# KiCad board daq-eval-board.kicad_pcb (continued)
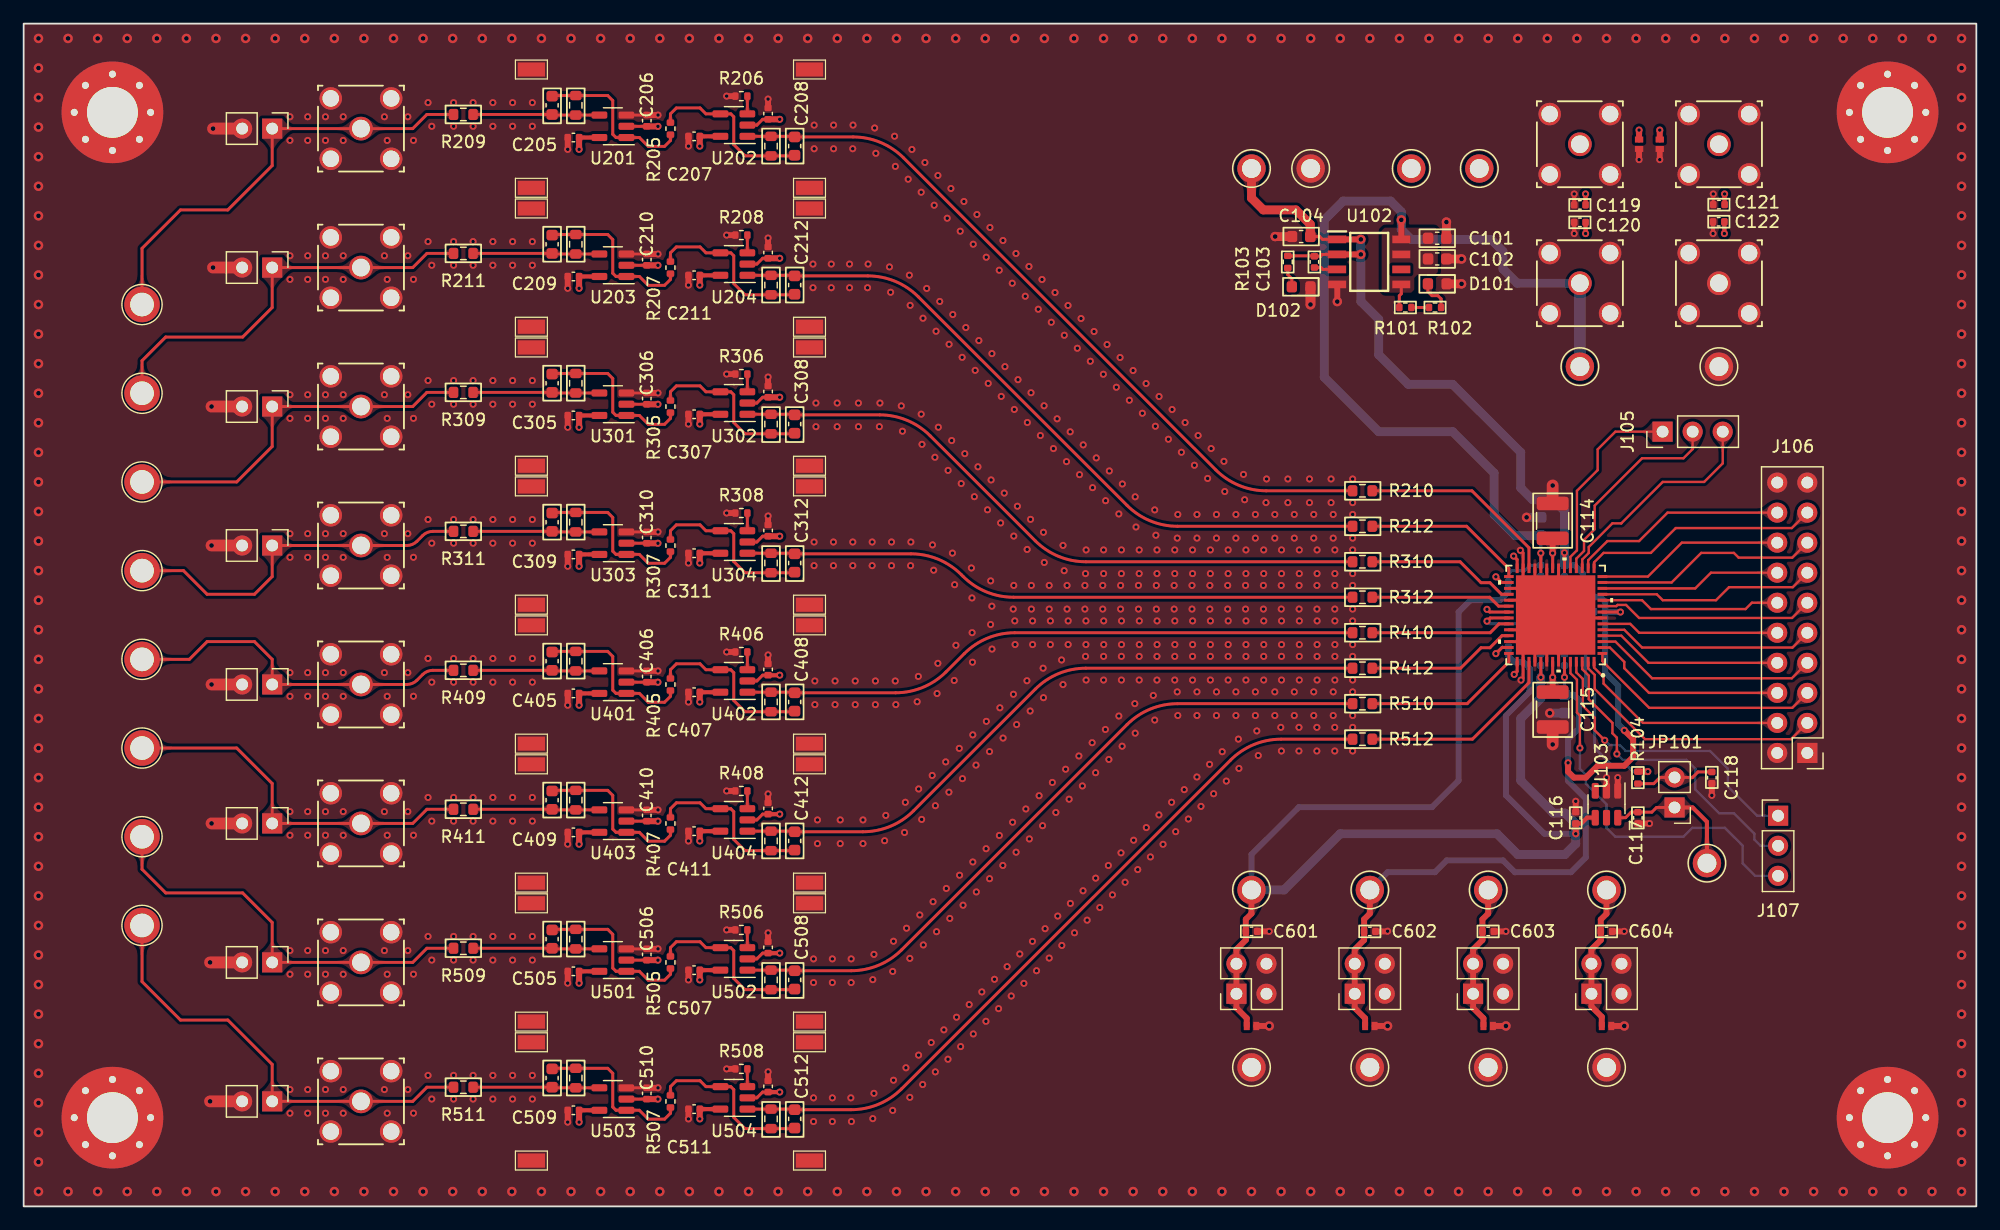
[diagram p0: board, top side]
## Nets (continued)
Net-(D101-A): D101.2 R102.2
Net-(D102-A): D102.2 R103.2
Net-(JP101-A): C117.1 JP101.1 TP106.1 U103.6
Net-(JP101-B): C118.1 JP101.2 R104.1
Net-(R101-Pad2): R101.2 R102.1
Net-(U201--IN): C201.1 R201.2 R209.1 U201.4
Net-(U201-OUT): C201.2 R201.1 R205.2 U201.1
Net-(U202-+IN): R206.1 U202.3
Net-(U202--IN): C202.1 R202.2 R205.1 U202.4
Net-(U202-OUT): C202.2 R202.1 R210.2 U202.1
Net-(U203--IN): C203.1 R203.2 R211.1 U203.4
Net-(U203-OUT): C203.2 R203.1 R207.2 U203.1
Net-(U204-+IN): R208.1 U204.3
Net-(U204--IN): C204.1 R204.2 R207.1 U204.4
Net-(U204-OUT): C204.2 R204.1 R212.2 U204.1
Net-(U301--IN): C301.1 R301.2 R309.1 U301.4
Net-(U301-OUT): C301.2 R301.1 R305.2 U301.1
Net-(U302-+IN): R306.1 U302.3
Net-(U302--IN): C302.1 R302.2 R305.1 U302.4
Net-(U302-OUT): C302.2 R302.1 R310.2 U302.1
Net-(U303--IN): C303.1 R303.2 R311.1 U303.4
Net-(U303-OUT): C303.2 R303.1 R307.2 U303.1
Net-(U304-+IN): R308.1 U304.3
Net-(U304--IN): C304.1 R304.2 R307.1 U304.4
Net-(U304-OUT): C304.2 R304.1 R312.2 U304.1
Net-(U401--IN): C401.1 R401.2 R409.1 U401.4
Net-(U401-OUT): C401.2 R401.1 R405.2 U401.1
Net-(U402-+IN): R406.1 U402.3
Net-(U402--IN): C402.1 R402.2 R405.1 U402.4
Net-(U402-OUT): C402.2 R402.1 R410.2 U402.1
Net-(U403--IN): C403.1 R403.2 R411.1 U403.4
Net-(U403-OUT): C403.2 R403.1 R407.2 U403.1
Net-(U404-+IN): R408.1 U404.3
Net-(U404--IN): C404.1 R404.2 R407.1 U404.4
Net-(U404-OUT): C404.2 R404.1 R412.2 U404.1
Net-(U501--IN): C501.1 R501.2 R509.1 U501.4
Net-(U501-OUT): C501.2 R501.1 R505.2 U501.1
Net-(U502-+IN): R506.1 U502.3
Net-(U502--IN): C502.1 R502.2 R505.1 U502.4
Net-(U502-OUT): C502.2 R502.1 R510.2 U502.1
Net-(U503--IN): C503.1 R503.2 R511.1 U503.4
Net-(U503-OUT): C503.2 R503.1 R507.2 U503.1
Net-(U504-+IN): R508.1 U504.3
Net-(U504--IN): C504.1 R504.2 R507.1 U504.4
Net-(U504-OUT): C504.2 R504.1 R512.2 U504.1

Pads without a net: U102 6; U103 3 5

## Via types
v1: diameter 0.6, hole 0.3, Top to Bottom, 839 vias
v2: diameter 0.8, hole 0.4, Top to Bottom, 233 vias

## Routing (per net, layer and track width the routed paths; a pad name or vN(x,y) marks a point on that pad's centre or on a via; arc(x,y) is an arc through that point)
+2V5: length 57.4
  Top w0.35: C405.2 U401.5 ; U504.5 C511.2 ; 131.98,82.22 C120.2 ; C205.2 U201.5 ; 131.98,85.5 C119.2 ; U204.5 C211.2 ; C509.2 U503.5 ; C209.2 U203.5 ; U302.5 C307.2 ; C409.2 U403.5 ; U404.5 C411.2 ; U402.5 C407.2 ; U304.5 C311.2 ; U502.5 C507.2 ; U202.5 C207.2 ; C309.2 U303.5 ; C505.2 U501.5 ; C305.2 U301.5
  Top w0.5: v1(57.13,19.14) C507.2 ; v1(46.93,54.12) C309.2 ; v1(57.13,77.89) C211.2 ; v1(57.13,30.89) C411.2 ; v1(46.93,42.37) C405.2 ; v1(57.13,54.39) C311.2 ; v1(46.93,65.87) C305.2 ; TP603.1 123.75,24.75 123.27,24.27 123.27,22.52 122.48,21.73 J603.2 J603.1 122.48,16.78 123.35,15.9 D603.2 ; v1(46.93,89.37) C205.2 ; v1(57.13,42.64) C407.2 ; v1(57.13,66.14) C307.2 ; v1(57.13,7.39) C511.2 ; v1(46.93,30.62) C409.2 ; v1(57.13,89.64) C207.2 ; v1(46.93,77.62) C209.2 ; D103.2 v1(136.5,91) ; v1(46.93,18.87) C505.2 ; v1(46.93,7.12) C509.2
  vias: v1(131.98,85.6) v1(131.98,82.25)
+3.3V: length 140.7
  Top w0.25: R103.1 109.04,80.37 ; U102.1 109.75,81.76 109.51,82 C104.1 ; C103.2 109.59,80.34 109.74,80.49 U102.2 ; U101.51 v1(130.2,44.73) ; v1(130.2,55.27) U101.20 ; v1(134.93,50.25) U101.8
  Top w0.5: D602.2 113.35,15.9 112.48,16.78 J602.1 J602.2 112.48,21.73 113.27,22.52 113.27,24.27 113.75,24.75 TP602.1 ; U102.1 v2(112.99,81.76) ; v1(130.5,37.5) 130.5,36.75 131,36.25 132,36.25 133,37.25 135.25,37.25 136,38 136,39.5 v1(135.25,40.25) ; v2(112.99,80.49) U102.2
  Top w0.75: TP103.1 103.75,85.25 104.75,84.25 107.5,84.25 108.72,83.03 C104.1
  Bottom w0.25: C112.1 v1(130.2,44.73) C113.1
  Bottom w0.5: v1(135.25,40.25) 134.75,40.75 134.75,44 133.65,45.1 C110.1 133.65,51.1 133.25,51.5 132.75,51.5 131.75,52.5 131.75,53.5 131.04,54.21 C111.1 ; v1(134.93,50.25) 133.68,50.25 ; C113.1 131,43.26 131.43,42.83 131.43,40.43 130.5,39.5 130.5,35.97 132,34.47 132,29.5 130.75,28.25 126,28.25 125,29.25 120.25,29.25 119.25,28.25 115.25,28.25 TP602.1
  Bottom w0.75: C111.1 v1(130.2,55.27) 130.2,58.8 129.25,59.75 127.5,59.75 126.5,60.75 126.5,63.75 120.75,69.5 117,69.5 114.5,72 114.5,75 112.99,76.51 v2(112.99,81.76)
+5V: length 219.5
  Top w0.25: U101.24 v1(128.2,55.23) ; U101.47 v1(128.2,44.73) ; U102.5 116.41,77.16 116.24,76.99 R101.1 ; v1(124.4,53.23) 124.88,52.75 U101.30 ; v1(124.4,46.73) 124.92,47.25 U101.41
  Top w0.35: U103.4 132.11,32.86 131.62,32.37 C116.1
  Top w0.5: TP601.1 103.75,24.75 103.27,24.27 C601.2 103.27,22.52 102.48,21.73 J601.2 J601.1 102.48,16.78 103.35,15.9 D601.2 ; v2(116.41,83.41) U102.8 ; v1(131.15,31.5) C116.1
  Bottom w0.25: v1(124.4,46.73) 124.95,47.28 C108.1 ; C105.1 v1(128.2,55.23) C106.1 127.29,54.21 126.83,53.75 125.75,53.75 125.45,53.45 C107.1 124.85,52.78 v1(124.4,53.23) ; v1(128.2,44.73) C109.1
  Bottom w0.5: C108.1 125.47,46.53 126,46 126.75,46 127.25,45.5 127.25,43.5 125.25,41.5 125.25,34.75 128.5,31.5 v1(131.15,31.5) ; C107.1 125.45,51.95 124.75,51.25 122.25,51.25 121.25,50.25 121.25,36 119,33.75 107.75,33.75 103.75,29.75 TP601.1
  Bottom w0.75: J101.1 126.2,78.05 125,79.25 125,80.75 124,81.75 117.25,81.75 116.41,82.59 v2(116.41,83.41) 116.41,84.09 115.5,85 111.5,85 109.9,83.4 109.9,70.1 114.5,65.5 120.75,65.5 124.25,62 124.25,58.5 126.05,56.71 C105.1 ; v1(128.2,44.73) 128.2,42.95 126.5,41.25 126.5,36 129.25,33.25 130.25,33.25 131.15,32.35 v1(131.15,31.5) 131.15,30.65 130.25,29.75 126.25,29.75 124.5,31.5 111.25,31.5 106.5,26.75 TP601.1
  Bottom w1: TP101.1 J101.1
-2V5: length 60
  Top w0.25: C212.2 62.44,80.16 61.95,79.67 U204.2 ; C312.2 62.44,56.66 61.95,56.17 U304.2 ; C306.2 50.93,67.82 U301.2 ; C506.2 50.93,20.82 U501.2 ; C208.2 62.44,91.91 61.95,91.42 U202.2 ; C206.2 50.93,91.32 U201.2 ; C406.2 50.93,44.32 U401.2 ; C508.2 62.44,21.41 61.95,20.92 U502.2 ; U303.2 50.93,56.07 C310.2 ; C512.2 62.44,9.66 61.95,9.17 U504.2 ; C308.2 62.44,68.41 61.95,67.92 U302.2 ; C210.2 50.93,79.57 U203.2 ; U503.2 50.93,9.07 C510.2 ; U403.2 50.93,32.57 C410.2 ; U402.2 61.95,44.42 62.44,44.91 C408.2 ; U404.2 61.95,32.67 62.44,33.16 C412.2
  Top w0.35: v1(63.89,9.66) C512.2 ; v1(63.89,21.41) C508.2 ; v1(143.71,82.25) C122.2 ; v1(63.89,33.16) C412.2 ; v1(143.73,85.6) C121.2 ; v1(63.89,44.91) C408.2
  Top w0.5: v1(53.6,67.82) C306.2 ; D104.2 v1(138.25,91) ; v1(53.6,32.57) C410.2 ; v1(63.89,80.16) C212.2 ; v1(63.89,56.66) C312.2 ; v1(53.6,79.57) C210.2 ; TP604.1 133.75,24.74 133.27,24.25 133.27,22.52 132.48,21.73 J604.2 J604.1 132.48,16.9 133.35,16.03 D604.2 ; v1(53.6,91.32) C206.2 ; v1(53.6,44.32) C406.2 ; v1(63.89,68.41) C308.2 ; v1(53.6,20.82) C506.2 ; v1(63.89,91.91) C208.2 ; v1(53.6,56.07) C310.2 ; v1(53.6,9.07) C510.2
/ADC_CHANNEL_0: length 17
  Top w0.25: U101.26 127.2,55.68 122.38,60.5 R210.1
/ADC_CHANNEL_1: length 13.7
  Top w0.25: R212.1 121.93,57.5 125.5,53.93 U101.29
/ADC_CHANNEL_2: length 12.7
  Top w0.25: U101.32 124.88,51.75 123.9,52.73 123.15,52.73 121.38,54.5 R310.1
/ADC_CHANNEL_3: length 11.9
  Top w0.25: R312.1 123.88,51.5 124.63,50.75 U101.34
/ADC_CHANNEL_4: length 11.9
  Top w0.25: U101.37 124.67,49.25 123.92,48.5 R410.1
/ADC_CHANNEL_5: length 12.7
  Top w0.25: U101.39 124.92,48.25 123.9,47.23 123.15,47.23 121.42,45.5 R412.1
/ADC_CHANNEL_6: length 13.7
  Top w0.25: R510.1 121.97,42.5 125.5,46.03 U101.42
/ADC_CHANNEL_7: length 17
  Top w0.25: R512.1 122.42,39.5 127.2,44.28 U101.45
/analog-digital-conversion/ADC_CONVST: length 17.7
  Top w0.2: U101.18 131.2,54.76 131.85,55.41 131.85,56.35 132.75,57.25 132.75,59.25 136.75,63.25 140.25,63.25 141.03,64.03 J105.2
/analog-digital-conversion/ADC_CS: length 25.8
  Top w0.2: v1(133.6,39.4) 132.75,40.25 132.75,41.31 131.75,42.31 131.75,44.59 131.2,45.15 U101.53
  Bottom w0.2: v1(133.6,39.4) 134,39 134.88,39 135.38,38.5 142.5,38.5 144,37 144,35.5 146.48,33.03 J107.1
/analog-digital-conversion/ADC_EOC: length 19
  Top w0.2: J105.3 143.57,62.82 142,61.25 138.5,61.25 135,57.75 135,57.75 134.25,57.75 132.25,55.75 132.25,55.25 131.7,54.7 U101.17
/analog-digital-conversion/ADC_PARALLEL_0: length 18.3
  Top w0.2: U101.16 132.2,54.63 133.82,56.25 136.5,56.25 138.91,58.66 J106.18
/analog-digital-conversion/ADC_PARALLEL_1: length 20.3
  Top w0.2: U101.15 132.7,54.45 133.5,55.25 137.5,55.25 139.6,57.35 149.41,57.35 J106.17
/analog-digital-conversion/ADC_PARALLEL_2: length 16
  Top w0.2: U101.14 137.25,53.25 140.12,56.12 J106.16
/analog-digital-conversion/ADC_PARALLEL_3: length 19
  Top w0.2: U101.13 139.25,52.75 141.75,55.25 144.51,55.25 144.92,54.85 149.45,54.85 J106.15
/analog-digital-conversion/ADC_PARALLEL_4: length 15.3
  Top w0.2: J106.14 142.58,53.58 141.25,52.25 U101.12
/analog-digital-conversion/ADC_PARALLEL_5: length 18.5
  Top w0.2: J106.13 149.49,52.35 144.1,52.35 143,51.25 138.5,51.25 138,51.75 U101.11
/analog-digital-conversion/ADC_PARALLEL_6: length 15.3
  Top w0.2: J106.12 146.04,51.04 145.5,50.5 137.5,50.5 136.75,51.25 U101.10
/analog-digital-conversion/ADC_PARALLEL_7: length 18.3
  Top w0.2: U101.9 134.58,50.75 134.68,50.85 135.4,50.85 136.5,49.75 149.43,49.75 J106.11
/analog-digital-conversion/ADC_PARALLEL_8: length 15.1
  Top w0.2: U101.6 135.75,49.25 136.51,48.5 J106.10
/analog-digital-conversion/ADC_PARALLEL_9: length 18.5
  Top w0.2: U101.5 135.25,48.75 136.75,47.25 149.47,47.25 J106.9
/analog-digital-conversion/ADC_PARALLEL_10: length 15.7
  Top w0.2: J106.8 137.3,45.96 135,48.25 U101.4
/analog-digital-conversion/ADC_PARALLEL_11: length 19.1
  Top w0.2: U101.3 134.5,47.75 137.6,44.65 149.41,44.65 J106.7
/analog-digital-conversion/ADC_PARALLEL_12: length 16.7
  Top w0.2: J106.6 137.34,43.42 135.25,45.5 135.25,46.03 134.03,47.25 U101.2
/analog-digital-conversion/ADC_PARALLEL_13: length 20.1
  Top w0.2: J106.5 149.45,42.15 137.35,42.15 133.4,46.1 U101.1
/analog-digital-conversion/ADC_PARALLEL_14: length 18.2
  Top w0.2: J106.4 136.83,40.88 133.5,44.2 133.5,44.75 132.7,45.55 U101.56
/analog-digital-conversion/ADC_PARALLEL_15: length 22.8
  Top w0.2: J106.3 149.34,39.5 137,39.5 132.75,43.75 132.75,44.94 132.2,45.49 U101.55
/analog-digital-conversion/ADC_RD: length 27.2
  Top w0.2: v1(134.63,38.25) 134.63,39.63 134.25,40 134.25,40.88 132.25,42.88 132.25,44.87 131.7,45.42 U101.54
  Bottom w0.2: v1(134.63,38.25) 135.13,37.75 140.5,37.75 141.25,37 141.25,35.25 143.27,33.23 144.52,33.23 146.25,31.5 146.25,31 146.77,30.49 J107.2
/analog-digital-conversion/ADC_RDC: length 9.4
  Top w0.25: v1(125.95,44.98) 126.2,45.23 U101.43 ; v1(123.65,50.48) 123.88,50.25 U101.35 ; U101.28 126.2,54.68 v1(125.9,54.98) ; U101.22 v1(129.2,55.23) ; v1(129.2,44.73) U101.49
  Top w0.5: v1(129.2,44.73) C115.1 ; v1(129.2,55.23) C114.1
/analog-digital-conversion/ADC_REFIO: length 25.9
  Top w0.25: v1(123.65,49.48) 123.92,49.75 U101.36
  Top w0.5: v1(137.24,36.76) R104.2
  Bottom w0.25: v1(123.65,49.48) 123.88,49.25 127.25,49.25 128.5,48 130.75,48 132,46.75 132,44 132.75,43.25 132.75,38.75 134.25,37.25 135.5,37.25 136,36.75 137.23,36.75
  Bottom w0.5: v1(137.24,36.76) 137.23,36.75
/analog-digital-conversion/ADC_SHDN: length 17.1
  Top w0.2: U101.19 130.7,54.92 131.25,55.47 131.25,60.5 133,62.25 133,64 134.5,65.5 J105.1
/analog-digital-conversion/ADC_WR: length 33
  Top w0.2: U101.52 130.7,45.08 131.25,44.53 131.25,41.75 131.5,41.5 v1(131.5,38.75)
  Bottom w0.2: 148.25,27.95 146.31,27.95 145.25,29 145.25,30.5 143.75,32 141,32 140.25,31.25 134.5,31.25 133.75,32 133.75,34 132,35.75 132,36.5 131.5,37 v1(131.5,38.75)
/analog-digital-conversion/NR: length 2
  Top w0.25: C103.1 109.63,79.38 109.78,79.22 U102.3
/input-block-1/SMA_INPUT_0: length 37.6
  Top w0.25: TP201.1 10,81 13.25,84.25 17.25,84.25 21,88 JP201.1 J201.1 ; J201.1 32.88,91.13 34.07,92.32 R209.2 ; J201.1 28.51,91.12
/input-block-1/SMA_INPUT_1: length 34.9
  Top w0.25: TP202.1 10,71.5 12,73.5 18.5,73.5 21,76 JP202.1 J202.1 ; 28.51,79.37 J202.1 ; J202.1 32.88,79.38 34.07,80.57 R211.2 ; J202.1 28.53,79.35
/input-block-2/SMA_INPUT_2: length 31.5
  Top w0.25: 28.53,67.6 J301.1 ; J301.1 JP301.1 21,64.25 18,61.25 TP301.1 ; J301.1 28.51,67.62 ; J301.1 32.88,67.63 34.07,68.82 R309.2
/input-block-2/SMA_INPUT_3: length 30.8
  Top w0.25: TP302.1 13.5,53.75 15.5,51.75 19.5,51.75 21,53.25 JP302.1 J302.1 32.38,55.88 arc(32.84,55.97) 33.23,56.23 33.72,56.72 arc(34.11,56.98) 34.57,57.07 R311.2 36.32,57.08
/input-block-3/SMA_INPUT_4: length 30.1
  Top w0.25: 28.51,44.12 J401.1 ; J401.1 32.38,44.13 ; J401.1 JP401.1 21,46.25 19.5,47.75 15.5,47.75 14,46.25 TP401.1 ; R409.2 34.57,45.32 arc(34.11,45.23) 33.72,44.97 33.23,44.48 arc(32.84,44.22) 32.38,44.13
/input-block-3/SMA_INPUT_5: length 31.4
  Top w0.25: TP402.1 18,38.75 21,35.75 JP402.1 J402.1 ; J402.1 32.88,32.38 34.07,33.57 R411.2 ; J402.1 28.51,32.37
/input-block-4/SMA_INPUT_5: length 34.8
  Top w0.25: J501.1 32.88,20.63 34.07,21.82 R509.2 ; J501.1 JP501.1 21,24 18.5,26.5 12,26.5 10,28.5 TP501.1 ; J501.1 28.51,20.62
/input-block-4/SMA_INPUT_6: length 37.6
  Top w0.25: TP502.1 10,19 13.25,15.75 17.25,15.75 21,12 JP502.1 J502.1 32.88,8.88 34.07,10.07 R511.2 36.32,10.08
Earth: length 164.3
  Top w0.25: U203.3 52.65,80.52 C210.1 ; U301.3 52.65,68.77 C306.1 ; v1(126.47,55.47) 126.7,55.24 U101.27 126.7,52.75 U101.57 ; U101.25 127.7,51.75 U101.57 ; U101.57 128.7,50.75 U101.23 ; U101.57 129.25,49.8 129.25,49.5 128.95,49.5 128.7,49.25 U101.48 ; U101.57 127.2,47.75 U101.40 ; U101.57 128.2,48.75 U101.38 ; U101.57 129.45,50 129.5,50 129.5,50.05 129.7,50.25 129.7,50.8 129.25,51.25 129.7,51.7 U101.21 ; U101.57 129.7,49.75 ; U101.57 127.2,52.25 U101.31 ; U101.57 128.2,51.25 127.5,51.25 127.5,51.25 127.5,51.25 U101.33 ; U101.57 126.7,47.25 U101.44 126.7,44.67 v1(126.52,44.49) ; U101.57 127.7,48.25 U101.46 ; U101.50 129.7,49.75 ; 129.7,49.75 131,49.75 131.25,49.5 131.5,49.75 U101.7 ; U403.3 52.65,33.52 C410.1 ; U501.3 52.65,21.77 C506.1 ; v1(125.25,23.25) 125.25,23.25 ; 115.25,23.25 115.25,23.25 ; U201.3 52.65,92.27 C206.1 ; 121.5,78 v2(121.5,78) ; C510.1 52.65,10.02 U503.3 ; v1(135.25,23.25) 135.25,23.25 ; v1(142.75,82.25) 142.75,82.5 ; C310.1 52.65,57.02 U303.3 ; v1(142.77,85.6) C121.1 ; C406.1 52.65,45.27 U401.3
  Top w0.35: C122.1 142.75,82.25 v1(142.75,82.25) ; 131.02,82.22 C120.1 ; 131.02,85.5 C119.1
  Top w0.5: C601.1 v1(105.25,23.25) ; R208.2 v1(59.4,82.12) ; C512.1 v1(62.9,11.37) ; R306.2 v1(59.4,70.37) ; v1(142.65,34.75) C118.2 ; v1(133.75,36.25) U103.2 ; v1(45.97,89.37) C205.1 ; D604.1 v2(135.25,15.25) ; v1(53.6,92.27) 52.66,92.27 ; v1(53.6,80.52) 52.66,80.52 ; D103.1 v1(136.5,88.5) ; R308.2 v1(59.4,58.62) ; D603.1 v2(125.25,15.25) ; v1(56.17,66.14) C307.1 ; D602.1 v2(115.25,15.25) ; v1(45.97,7.12) C509.1 ; C602.1 115.25,23.25 ; C604.1 135.25,23.25 ; C603.1 125.25,23.25 ; U102.4 111,77.93 v2(111,76.5) ; v1(53.6,45.27) 52.66,45.27 ; v1(56.17,77.89) C211.1 ; v1(45.97,42.37) C405.1 ; v1(56.17,19.14) C507.1 ; C312.1 v1(62.9,58.37) ; R508.2 v1(59.4,11.62) ; D601.1 v2(105.25,15.25) ; C212.1 v1(62.9,81.87) ; C208.1 v1(62.9,93.62) ; v1(134.7,36.25) U103.1 ; v1(53.6,33.52) 52.66,33.52 ; v1(53.6,57.02) 52.66,57.02 ; v1(45.97,77.62) C209.1 ; R506.2 v1(59.4,23.37) ; C308.1 v1(62.9,70.12) ; v1(56.17,30.89) C411.1 ; R406.2 v1(59.4,46.87) ; C508.1 v1(62.9,23.12) ; v1(56.17,7.39) C511.1 ; v1(45.97,18.87) C505.1 ; v1(53.6,21.77) 52.66,21.77 ; C408.1 v1(62.9,46.62) ; v1(56.17,89.64) C207.1 ; v1(45.97,54.12) C309.1 ; v1(45.97,65.87) C305.1 ; v1(53.6,68.77) 52.66,68.77 ; v1(56.17,42.64) C407.1 ; R408.2 v1(59.4,35.12) ; v1(56.17,54.39) C311.1 ; v1(137.38,32.37) C117.2 ; R206.2 v1(59.4,93.87) ; C412.1 v1(62.9,34.87) ; v1(45.97,30.62) C409.1 ; v1(53.6,10.02) 52.66,10.02 ; v1(131.15,34.25) C116.2 ; D104.1 v1(138.25,88.5)
  Top w0.75: v2(105.75,82) C104.2 ; D101.1 121.5,78 ; v2(120.22,83.22) C101.2 ; v2(121.5,80.11) C102.2
  Top w0.85: v2(108.73,76.25) D102.1
  Top w1: v2(15.88,55.88) JP302.2 ; v2(129.2,39.05) C115.2 ; v2(15.88,67.63) JP301.2 ; v2(15.75,20.63) JP501.2 ; v2(16,91.13) JP201.2 ; v2(16,79.38) JP202.2 ; v2(15.88,32.38) JP402.2 ; v2(15.88,44.13) JP401.2 ; v2(15.75,8.88) JP502.2 ; v2(129.2,60.95) C114.2
  Bottom w0.75: v2(127,58.26) C105.2 ; v2(128.96,41.71) C113.2
  vias: v1(22.5,92.13) v1(22.5,90.13) v1(22.5,80.38) v1(22.5,78.38) v1(22.5,68.63) v1(22.5,66.63) v1(22.5,56.88) v1(22.5,54.88) v1(22.5,45.13) v1(22.5,43.13) v1(22.5,33.38) v1(22.5,31.38) v1(22.5,21.63) v1(22.5,19.63) v1(22.5,9.88) v1(22.5,7.88) v1(24,92.13) v1(24,90.13) v1(24,80.38) v1(24,78.38) v1(24,68.63) v1(24,66.63) v1(24,56.88) v1(24,54.88) v1(24,45.13) v1(24,43.13) v1(24,33.38) v1(24,31.38) v1(24,21.63) v1(24,19.63) v1(24,9.88) v1(24,7.88) v1(25.5,92.13) v1(25.5,90.13) v1(25.5,80.38) v1(25.5,78.38) v1(25.5,68.63) v1(25.5,66.63) v1(25.5,56.88) v1(25.5,54.88) v1(25.5,45.13) v1(25.5,43.13) v1(25.5,33.38) v1(25.5,31.38) v1(25.5,21.63) v1(25.5,19.63) v1(25.5,9.88) v1(25.5,7.88) v1(27,92.13) v1(27,90.13) v1(27,80.38) v1(27,78.38) v1(27,68.63) v1(27,66.63) v1(27,56.88) v1(27,54.88) v1(27,45.13) v1(27,43.13) v1(27,33.38) v1(27,31.38) v1(27,21.63) v1(27,19.63) v1(27,9.88) v1(27,7.88) v1(30.48,92.13) v1(30.48,80.38) v1(30.48,68.63) v1(30.48,56.88) v1(30.48,45.13) v1(30.48,33.38) v1(30.48,21.63) v1(30.48,9.88) v1(30.72,90.13) v1(30.72,78.38) v1(30.72,66.63) v1(30.72,54.88) v1(30.72,43.13) v1(30.72,31.38) v1(30.72,19.63) v1(30.72,7.88) v1(32.46,92.13) v1(32.46,80.38) v1(32.46,68.63) v1(32.46,56.88) v1(32.46,45.13) v1(32.46,33.38) v1(32.46,21.63) v1(32.46,9.88) v1(32.94,90.13) v1(32.94,78.38) v1(32.94,66.63) v1(32.94,54.88) v1(32.94,43.13) v1(32.94,31.38) v1(32.94,19.63) v1(32.94,7.88) v1(34.17,93.32) v1(34.17,81.57) v1(34.17,69.82) v1(34.17,58.07) v1(34.17,46.32) v1(34.17,34.57) v1(34.17,22.82) v1(34.17,11.07) v1(34.49,91.32) v1(34.49,79.57) v1(34.49,67.82) v1(34.49,56.07) v1(34.49,44.32) v1(34.49,32.57) v1(34.49,20.82) v1(34.49,9.07) v1(36.33,93.32) v1(36.33,91.32) v1(36.33,81.57) v1(36.33,79.57) v1(36.33,69.82) v1(36.33,67.82) v1(36.33,58.07) v1(36.33,56.07) v1(36.33,46.32) v1(36.33,44.32) v1(36.33,34.57) v1(36.33,32.57) v1(36.33,22.82) v1(36.33,20.82) v1(36.33,11.07) v1(36.33,9.07) v1(37.98,93.32) v1(37.98,91.32) v1(37.98,81.57) v1(37.98,79.57) v1(37.98,69.82) v1(37.98,67.82) v1(37.98,58.07) v1(37.98,56.07) v1(37.98,46.32) v1(37.98,44.32) v1(37.98,34.57) v1(37.98,32.57) v1(37.98,22.82) v1(37.98,20.82) v1(37.98,11.07) v1(37.98,9.07) v1(39.65,93.32) v1(39.65,91.32) v1(39.65,81.57) v1(39.65,79.57) v1(39.65,69.82) v1(39.65,67.82) v1(39.65,58.07) v1(39.65,56.07) v1(39.65,46.32) v1(39.65,44.32) v1(39.65,34.57) v1(39.65,32.57) v1(39.65,22.82) v1(39.65,20.82) v1(39.65,11.07) v1(39.65,9.07) v1(41.32,93.32) v1(41.32,91.32) v1(41.32,81.57) v1(41.32,79.57) v1(41.32,69.82) v1(41.32,67.82) v1(41.32,58.07) v1(41.32,56.07) v1(41.32,46.32) v1(41.32,44.32) v1(41.32,34.57) v1(41.32,32.57) v1(41.32,22.82) v1(41.32,20.82) v1(41.32,11.07) v1(41.32,9.07) v1(42.98,93.32) v1(42.98,91.32) v1(42.98,81.57) v1(42.98,79.57) v1(42.98,69.82) v1(42.98,67.82) v1(42.98,58.07) v1(42.98,56.07) v1(42.98,46.32) v1(42.98,44.32) v1(42.98,34.57) v1(42.98,32.57) v1(42.98,22.82) v1(42.98,20.82) v1(42.98,11.07) v1(42.98,9.07) v1(66.7,79.67) v1(66.7,77.67) v1(66.74,20.92) v1(66.74,18.92) v1(66.74,9.17) v1(66.74,7.17) v1(66.8,91.42) v1(66.8,89.42) v1(66.79,56.17) v1(66.79,54.17) v1(66.95,67.92) v1(66.95,65.92) v1(66.86,44.42) v1(66.86,42.42) v1(67.08,32.67) v1(67.08,30.67) v1(68.24,79.67) v1(68.24,77.67) v1(68.33,20.92) v1(68.33,18.92) v1(68.33,9.17) v1(68.33,7.17) v1(68.44,91.42) v1(68.44,89.42) v1(68.43,56.17) v1(68.43,54.17) v1(68.56,44.42) v1(68.56,42.42) v1(68.74,67.92) v1(68.74,65.92) v1(69,32.67) v1(69,30.67) v1(69.79,79.67) v1(69.79,77.67) v1(69.92,20.92) v1(69.92,18.92) v1(69.9,9.17) v1(69.95,7.17) v1(70.08,91.42) v1(70.06,89.42) v1(70.06,56.17) v1(70.06,54.17) v1(70.26,44.42) v1(70.26,42.42) v1(70.54,67.92) v1(70.54,65.92) v1(70.92,32.67) v1(70.92,30.67) v1(71.31,77.67) v1(71.35,79.67) v1(71.7,56.17) v1(71.7,54.17) v1(71.75,19.17) v1(71.75,7.42) v1(71.85,21.31) v1(71.85,9.56) v1(71.91,91.18) v1(72.01,89.04) v1(71.97,44.42) v1(71.97,42.42) v1(72.31,65.92) v1(72.35,67.92) v1(72.75,30.92) v1(72.85,33.06) v1(73.16,79.43) v1(73.26,77.29) v1(73.33,56.17) v1(73.33,54.17) v1(73.43,19.86) v1(73.43,8.11) v1(73.5,22.41) v1(73.5,10.66) v1(73.59,90.48) v1(73.65,44.42) v1(73.66,87.93) v1(73.7,42.42) v1(74.16,67.68) v1(74.26,65.54) v1(74.43,31.61) v1(74.5,34.16) v1(74.6,23.52) v1(74.55,11.72) v1(74.74,86.85) v1(74.84,78.73) v1(74.91,76.18) v1(74.95,54.17) v1(74.88,20.97) v1(74.88,9.22) v1(74.97,56.17) v1(75.06,89.36) v1(75.5,42.67) v1(75.6,44.81) v1(75.63,35.29) v1(75.62,12.79) v1(75.72,24.64) v1(75.84,85.75) v1(75.84,66.98) v1(75.91,64.43) v1(75.88,32.72) v1(75.99,75.1) v1(76.02,22.1) v1(75.97,10.3) v1(76.15,88.26) v1(76.31,77.61) v1(76.69,13.85) v1(76.8,55.93) v1(76.77,36.43) v1(76.84,25.76) v1(76.94,84.65) v1(76.9,53.79) v1(77,63.34) v1(77.04,33.88) v1(77.04,11.37) v1(77.1,73.99) v1(77.14,23.22) v1(77.25,45.91) v1(77.18,43.36) v1(77.25,87.16) v1(77.29,65.88) v1(77.41,76.51) v1(77.76,14.92) v1(77.91,37.58) v1(78.04,83.55) v1(77.96,26.88) v1(78.11,62.23) v1(78.1,12.44) v1(78.2,72.89) v1(78.18,35.02) v1(78.26,24.34) v1(78.35,86.06) v1(78.42,64.75) v1(78.51,75.41) v1(78.48,55.23) v1(78.63,44.47) v1(78.67,52.56) v1(78.78,47.44) v1(78.83,15.99) v1(79.14,82.45) v1(79.06,38.72) v1(79.08,28) v1(79.22,61.12) v1(79.17,13.51) v1(79.3,71.79) v1(79.33,36.16) v1(79.38,25.46) v1(79.45,84.96) v1(79.53,63.64) v1(79.61,74.3) v1(79.9,17.06) v1(80.08,53.98) v1(80.13,51.44) v1(80.14,48.51) v1(80.24,81.35) v1(80.17,46.01) v1(80.2,39.87) v1(80.2,29.12) v1(80.24,14.58) v1(80.33,60) v1(80.4,70.69) v1(80.47,37.31) v1(80.5,26.58) v1(80.55,83.86) v1(80.64,62.53) v1(80.71,73.2) v1(80.97,18.13) v1(81.34,80.25) v1(81.35,41.01) v1(81.32,30.24) v1(81.31,15.65) v1(81.44,58.89) v1(81.5,69.58) v1(81.62,38.45) v1(81.62,27.7) v1(81.65,82.77) v1(81.75,61.42) v1(81.71,52.88) v1(81.7,49.2) v1(81.82,72.1) v1(81.81,50.74) v1(81.82,47.12) v1(82.03,19.2) v1(82.44,79.15) v1(82.44,31.36) v1(82.38,16.72) v1(82.49,42.15) v1(82.61,68.48) v1(82.56,57.78) v1(82.75,81.67) v1(82.74,28.82) v1(82.76,39.6) v1(82.92,71) v1(82.86,60.31) v1(83.1,20.27) v1(83.45,17.78) v1(83.54,78.05) v1(83.62,50.5) v1(83.63,43.3) v1(83.56,32.48) v1(83.71,67.38) v1(83.67,56.67) v1(83.67,52.5) v1(83.75,49.5) v1(83.85,80.57) v1(83.78,47.5) v1(83.9,40.74) v1(83.86,29.94) v1(84.02,69.9) v1(83.97,59.2) v1(84.17,21.34) v1(84.52,18.85) v1(84.63,76.95) v1(84.69,33.6) v1(84.81,66.28) v1(84.79,55.54) v1(84.78,44.44) v1(84.95,79.47) v1(85.05,41.88) v1(84.98,31.06) v1(85.12,68.79) v1(85.08,58.09) v1(85.15,52.5) v1(85.15,50.5) v1(85.24,22.41) v1(85.25,49.5) v1(85.25,47.5) v1(85.59,19.92) v1(85.73,75.85) v1(85.81,34.72) v1(85.91,65.18) v1(86.05,78.37) v1(86.14,45.51) v1(86.1,32.19) v1(86.23,67.69) v1(86.17,56.99) v1(86.24,54.44) v1(86.17,43.01) v1(86.31,23.47) v1(86.66,52.5) v1(86.66,50.5) v1(86.66,20.99) v1(86.83,74.75) v1(86.76,49.5) v1(86.76,47.5) v1(86.93,35.84) v1(87.02,64.07) v1(87.15,77.27) v1(87.22,33.31) v1(87.33,66.59) v1(87.38,24.54) v1(87.7,46.2) v1(87.72,22.06) v1(87.82,55.88) v1(87.82,44.12) v1(87.93,73.66) v1(87.92,53.74) v1(88.05,36.96) v1(88.12,62.97) v1(88.25,76.17) v1(88.17,52.5) v1(88.17,50.5) v1(88.26,49.5) v1(88.26,47.5) v1(88.34,34.43) v1(88.43,65.49) v1(88.45,25.61) v1(88.79,23.13) v1(89.03,72.56) v1(89.22,61.87) v1(89.17,38.08) v1(89.35,75.07) v1(89.53,64.39) v1(89.46,35.55) v1(89.52,26.68) v1(89.73,53.5) v1(89.67,52.5) v1(89.67,50.5) v1(89.73,46.5) v1(89.78,55.5) v1(89.76,49.5) v1(89.76,47.5) v1(89.78,44.5) v1(89.86,24.2) v1(90.13,71.46) v1(90.32,60.77) v1(90.29,39.2) v1(90.45,73.97) v1(90.63,63.28) v1(90.58,36.67) v1(90.59,27.75) v1(90.93,25.27) v1(91.23,70.36) v1(91.18,52.5) v1(91.18,50.5) v1(91.25,55.5) v1(91.25,53.5) v1(91.26,49.5) v1(91.26,47.5) v1(91.25,46.5) v1(91.25,44.5) v1(91.42,59.66) v1(91.41,40.32) v1(91.55,72.87) v1(91.74,62.18) v1(91.7,37.79) v1(91.66,28.82) v1(92,26.34) v1(92.33,69.26) v1(92.54,58.54) v1(92.54,41.46) v1(92.65,71.77) v1(92.69,52.5) v1(92.69,50.5) v1(92.72,29.89) v1(92.84,61.08) v1(92.76,55.5) v1(92.76,53.5) v1(92.77,49.5) v1(92.77,47.5) v1(92.76,46.5) v1(92.76,44.5) v1(92.82,38.91) v1(93.07,27.41) v1(93.43,68.16) v1(93.74,70.67) v1(93.79,30.96) v1(93.92,59.99) v1(93.89,42.51) v1(93.92,40.01) v1(93.99,57.44) v1(94.14,28.47) v1(94.2,52.5) v1(94.2,50.5) v1(94.26,55.5) v1(94.26,53.5) v1(94.27,49.5) v1(94.27,47.5) v1(94.26,46.5) v1(94.26,44.5) v1(94.53,67.06) v1(94.84,69.57) v1(94.86,32.03) v1(95.21,29.54) v1(95.45,43.2) v1(95.63,65.96) v1(95.57,58.88) v1(95.57,41.12) v1(95.67,56.74) v1(95.71,52.5) v1(95.71,50.5) v1(95.76,55.5) v1(95.76,53.5) v1(95.77,49.5) v1(95.77,47.5) v1(95.76,46.5) v1(95.76,44.5) v1(95.94,68.47) v1(95.93,33.1) v1(96.28,30.61) v1(96.73,64.86) v1(97.04,67.37) v1(97,34.16) v1(97.22,52.5) v1(97.22,50.5) v1(97.27,55.5) v1(97.27,53.5) v1(97.27,49.5) v1(97.27,47.5) v1(97.27,46.5) v1(97.27,44.5) v1(97.35,31.68) v1(97.53,58.5) v1(97.48,56.5) v1(97.48,43.5) v1(97.53,41.5) v1(97.83,63.76) v1(98.14,66.27) v1(98.07,35.23) v1(98.41,32.75) v1(98.72,52.5) v1(98.72,50.5) v1(98.77,55.5) v1(98.77,53.5) v1(98.78,49.5) v1(98.78,47.5) v1(98.77,46.5) v1(98.77,44.5) v1(98.93,62.66) v1(99.15,58.5) v1(99.15,56.5) v1(99.15,43.5) v1(99.15,41.5) v1(99.14,36.3) v1(99.24,65.17) v1(99.48,33.82) v1(100.04,61.54) v1(100.23,52.5) v1(100.23,50.5) v1(100.21,37.37) v1(100.34,64.08) v1(100.27,55.5) v1(100.27,53.5) v1(100.28,49.5) v1(100.28,47.5) v1(100.27,46.5) v1(100.27,44.5) v1(100.55,34.89) v1(100.79,58.5) v1(100.79,56.5) v1(100.79,43.5) v1(100.79,41.5) v1(101.28,38.44) v1(101.42,62.99) v1(101.49,60.44) v1(101.62,35.96) v1(101.74,52.5) v1(101.74,50.5) v1(101.78,55.5) v1(101.78,53.5) v1(101.78,49.5) v1(101.78,47.5) v1(101.78,46.5) v1(101.78,44.5) v1(102.43,58.5) v1(102.43,56.5) v1(102.43,43.5) v1(102.43,41.5) v1(102.64,39.51) v1(102.69,37.03) v1(103.07,61.88) v1(103.17,59.74) v1(103.25,52.5) v1(103.25,50.5) v1(103.28,55.5) v1(103.28,53.5) v1(103.28,49.5) v1(103.28,47.5) v1(103.28,46.5) v1(103.28,44.5) v1(104.08,58.5) v1(104.08,56.5) v1(104.08,43.5) v1(104.08,41.5) v1(104.2,40.2) v1(104.32,38.12) v1(104.78,55.5) v1(104.78,53.5) v1(104.76,52.5) v1(104.76,50.5) v1(104.79,49.5) v1(104.79,47.5) v1(104.78,46.5) v1(104.78,44.5) v1(105.03,61.5) v1(104.98,59.5) v1(105.72,58.5) v1(105.72,56.5) v1(105.72,43.5) v1(105.72,41.5) v1(106.23,40.5) v1(106.29,55.5) v1(106.29,53.5) v1(106.27,52.5) v1(106.27,50.5) v1(106.29,49.5) v1(106.29,47.5) v1(106.29,46.5) v1(106.29,44.5) v1(106.28,38.5) v1(106.83,61.5) v1(106.83,59.5) v1(107.37,58.5) v1(107.37,56.5) v1(107.37,43.5) v1(107.37,41.5) v1(107.79,55.5) v1(107.79,53.5) v1(107.77,52.5) v1(107.77,50.5) v1(107.79,49.5) v1(107.79,47.5) v1(107.79,46.5) v1(107.79,44.5) v1(107.76,40.5) v1(107.76,38.5) v1(108.65,61.5) v1(108.65,59.5) v1(109.01,58.5) v1(109.01,56.5) v1(109.01,43.5) v1(109.01,41.5) v1(109.29,55.5) v1(109.29,53.5) v1(109.28,52.5) v1(109.28,50.5) v1(109.29,49.5) v1(109.29,47.5) v1(109.29,46.5) v1(109.29,44.5) v1(109.28,40.5) v1(109.28,38.5) v1(110.48,61.5) v1(110.48,59.5) v1(110.66,58.5) v1(110.66,56.5) v1(110.66,43.5) v1(110.66,41.5) v1(110.8,55.5) v1(110.8,53.5) v1(110.79,52.5) v1(110.79,50.5) v1(110.8,49.5) v1(110.8,47.5) v1(110.8,46.5) v1(110.8,44.5) v1(110.79,40.5) v1(110.79,38.5) v1(112.3,61.5) v1(112.3,59.5) v1(112.3,58.5) v1(112.3,56.5) v1(112.3,55.5) v1(112.3,53.5) v1(112.3,52.5) v1(112.3,50.5) v1(112.3,49.5) v1(112.3,47.5) v1(112.3,46.5) v1(112.3,44.5) v1(112.3,43.5) v1(112.3,41.5) v1(112.3,40.5) v1(112.3,38.5) v1(115.25,23.26) v1(131.02,85.6) v1(131.02,82.25) v2(1.25,98.75) v2(1.25,96.25) v2(1.25,93.75) v2(1.25,91.25) v2(1.25,88.75) v2(1.25,86.25) v2(1.25,83.75) v2(1.25,81.25) v2(1.25,78.75) v2(1.25,76.25) v2(1.25,73.75) v2(1.25,71.25) v2(1.25,68.75) v2(1.25,66.25) v2(1.25,63.75) v2(1.25,61.25) v2(1.25,58.75) v2(1.25,56.25) v2(1.25,53.75) v2(1.25,51.25) v2(1.25,48.75) v2(1.25,46.25) v2(1.25,43.75) v2(1.25,41.25) v2(1.25,38.75) v2(1.25,36.25) v2(1.25,33.75) v2(1.25,31.25) v2(1.25,28.75) v2(1.25,26.25) v2(1.25,23.75) v2(1.25,21.25) v2(1.25,18.75) v2(1.25,16.25) v2(1.25,13.75) v2(1.25,11.25) v2(1.25,8.75) v2(1.25,6.25) v2(1.25,3.75) v2(1.25,1.25) v2(3.75,98.75) v2(3.75,1.25) v2(6.25,98.75) v2(6.25,1.25) v2(8.75,98.75) v2(8.75,1.25) v2(11.25,98.75) v2(11.25,1.25) v2(13.75,98.75) v2(13.75,1.25) v2(16.25,98.75) v2(16.25,1.25) v2(18.75,98.75) v2(18.75,1.25) v2(21.25,98.75) v2(21.25,1.25) v2(23.75,98.75) v2(23.75,1.25) v2(26.25,98.75) v2(26.25,1.25) v2(28.75,98.75) v2(28.75,1.25) v2(31.25,98.75) v2(31.25,1.25) v2(33.75,98.75) v2(33.75,1.25) v2(36.25,98.75) v2(36.25,1.25) v2(38.75,98.75) v2(38.75,1.25) v2(41.25,98.75) v2(41.25,1.25) v2(43.75,98.75) v2(43.75,1.25) v2(46.25,98.75) v2(46.25,1.25) v2(48.75,98.75) v2(48.75,1.25) v2(51.25,98.75) v2(51.25,1.25) v2(53.75,98.75) v2(53.75,1.25) v2(56.25,98.75) v2(56.25,1.25) v2(58.75,98.75) v2(58.75,1.25) v2(61.25,98.75) v2(61.25,1.25) v2(63.75,98.75) v2(63.75,1.25) v2(66.25,98.75) v2(66.25,1.25) v2(68.75,98.75) v2(68.75,1.25) v2(71.25,98.75) v2(71.25,1.25) v2(73.75,98.75) v2(73.75,1.25) v2(76.25,98.75) v2(76.25,1.25) v2(78.75,98.75) v2(78.75,1.25) v2(81.25,98.75) v2(81.25,1.25) v2(83.75,98.75) v2(83.75,1.25) v2(86.25,98.75) v2(86.25,1.25) v2(88.75,98.75) v2(88.75,1.25) v2(91.25,98.75) v2(91.25,1.25) v2(93.75,98.75) v2(93.75,1.25) v2(96.25,98.75) v2(96.25,1.25) v2(98.75,98.75) v2(98.75,1.25) v2(101.25,98.75) v2(101.25,1.25) v2(103.75,98.75) v2(103.75,1.25) v2(106.25,98.75) v2(106.25,1.25) v2(108.75,98.75) v2(108.75,1.25) v2(111.25,98.75) v2(111.25,1.25) v2(113.75,98.75) v2(113.75,1.25) v2(116.25,98.75) v2(116.25,1.25) v2(118.75,98.75) v2(118.75,1.25) v2(121.25,98.75) v2(121.25,1.25) v2(123.75,98.75) v2(123.75,1.25) v2(126.25,98.75) v2(126.25,1.25) v2(128.75,98.75) v2(128.75,1.25) v2(131.25,98.75) v2(131.25,1.25) v2(133.75,98.75) v2(133.75,1.25) v2(136.25,98.75) v2(136.25,1.25) v2(138.75,98.75) v2(138.75,1.25) v2(141.25,98.75) v2(141.25,1.25) v2(143.75,98.75) v2(143.75,1.25) v2(146.25,98.75) v2(146.25,1.25) v2(148.75,98.75) v2(148.75,1.25) v2(151.25,98.75) v2(151.25,1.25) v2(153.75,98.75) v2(153.75,1.25) v2(156.25,98.75) v2(156.25,1.25) v2(158.75,98.75) v2(158.75,1.25) v2(161.25,98.75) v2(161.25,1.25) v2(163.75,98.75) v2(163.75,96.25) v2(163.75,93.75) v2(163.75,91.25) v2(163.75,88.75) v2(163.75,86.25) v2(163.75,83.75) v2(163.75,81.25) v2(163.75,78.75) v2(163.75,76.25) v2(163.75,73.75) v2(163.75,71.25) v2(163.75,68.75) v2(163.75,66.25) v2(163.75,63.75) v2(163.75,61.25) v2(163.75,58.75) v2(163.75,56.25) v2(163.75,53.75) v2(163.75,51.25) v2(163.75,48.75) v2(163.75,46.25) v2(163.75,43.75) v2(163.75,41.25) v2(163.75,38.75) v2(163.75,36.25) v2(163.75,33.75) v2(163.75,31.25) v2(163.75,28.75) v2(163.75,26.25) v2(163.75,23.75) v2(163.75,21.25) v2(163.75,18.75) v2(163.75,16.25) v2(163.75,13.75) v2(163.75,11.25) v2(163.75,8.75) v2(163.75,6.25) v2(163.75,3.75) v2(163.75,1.25)
